# KiCad board FPGA_Board_BA.kicad_pcb (continued)
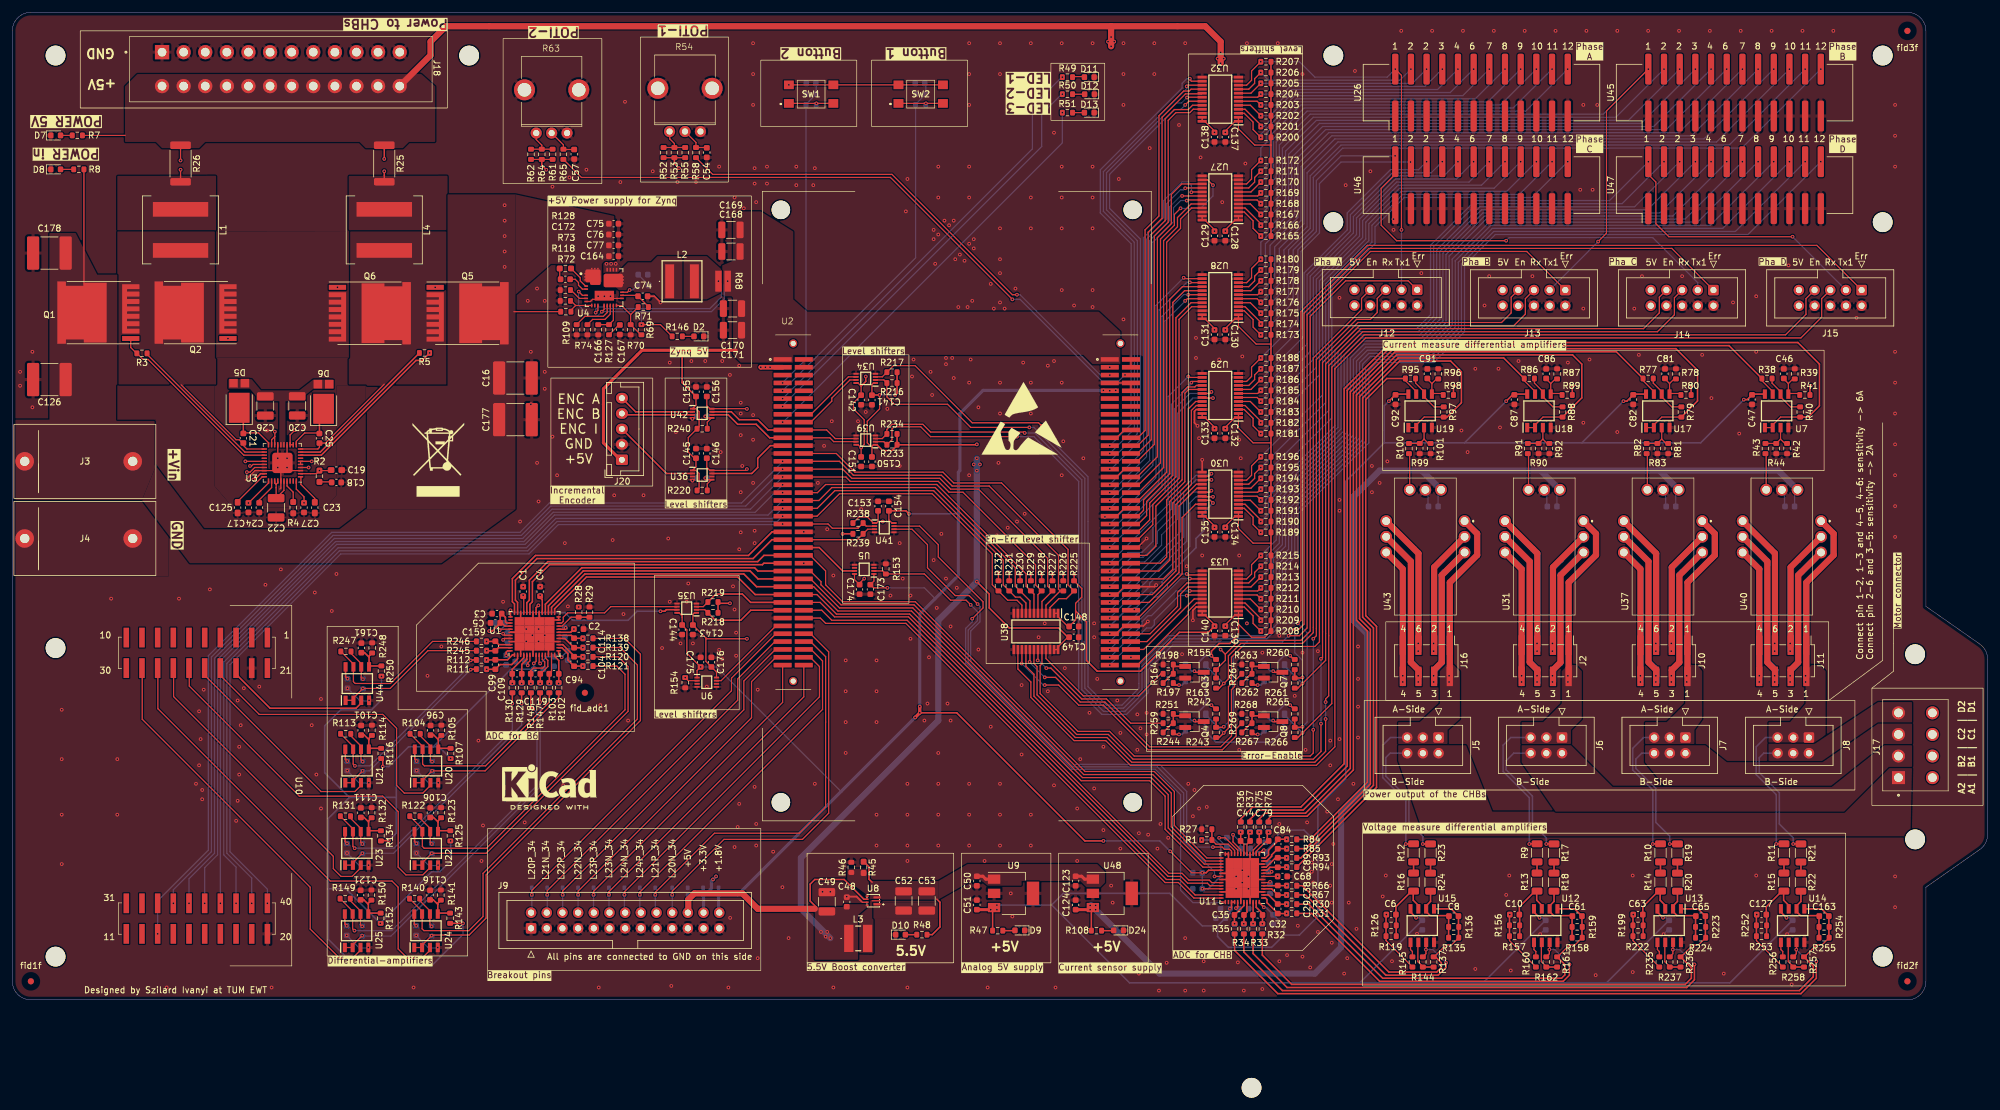
[diagram p0: board, top side]
## Routing (per net, layer and track width the routed paths; a pad name or vN(x,y) marks a point on that pad's centre or on a via; arc(x,y) is an arc through that point) (continued)
/CHB Communication/Level_Shifter_8bit_6/A8: length 122.6
  Top w0.2: U33.10 199.95,68.2 200.75,69 200.75,70.5 v1(202.25,72)
  Bottom w0.2: v1(202.25,72) 204.75,74.5 204.75,80.5 216.25,92 216.25,104.25 218.75,106.75 228.5,106.75 231.75,110 231.75,121 238.25,127.5 266.89,127.5 v1(275.19,135.8)
/CHB Communication/Level_shifter_Rx_En/B2: length 137.1
  Top w0.2: J12.5 221.11,113.65 221.11,111.36 220,110.25 217.75,110.25 211.25,103.75 211.25,59 v1(210.75,58.5) ; U38.20 166.8,54.45 166.5,54.15 166.5,49.62 172.62,43.5 177.75,43.5 181.75,39.5 210.25,39.5 210.75,40 v1(210.75,43.75)
  Bottom w0.2: v1(210.75,58.5) v1(210.75,43.75)
/CHB Communication/Level_shifter_Rx_En/B4: length 162.1
  Top w0.2: J13.5 245.11,113.61 245.11,111.11 243.25,109.25 218.25,109.25 212.25,103.25 212.25,55.5 v1(212,55.25) ; U38.18 165.5,54.5 166,54 166,49.41 172.41,43 177.54,43 181.54,39 210.75,39 212,40.25 v1(212,44.75)
  Bottom w0.2: v1(212,55.25) v1(212,44.75)
/CHB Communication/Level_shifter_Rx_En/B6: length 187.1
  Top w0.2: v1(212.75,45.5) 212.75,40.25 211,38.5 181.34,38.5 177.34,42.5 172.21,42.5 165.5,49.21 165.5,52.75 164.2,54.05 U38.16 ; v1(212.75,48.25) 212.75,48.75 213.25,49.25 213.25,102.75 218.75,108.25 266.5,108.25 269.25,111 269.25,113.75 J14.5
  Bottom w0.2: v1(212.75,48.25) v1(212.75,45.5)
/CHB Communication/Level_shifter_Rx_En/B8: length 212.2
  Top w0.2: J15.5 293.11,113.61 293.11,110.61 289.75,107.25 219.25,107.25 214.25,102.25 214.25,41 211.25,38 181.13,38 177.13,42 172,42 165,49 165,51.5 162.9,53.6 U38.14
/CHB Communication/Ph_A_Tx1: length 71.5
  Top w0.2: v1(190.75,149.25) 190.75,149.1 191,148.85 U32.14
  Bottom w0.2: v1(177.79,89.8) 177.8,89.8 181.25,93.25 181.25,122.5 176.25,127.5 176.25,134.5 189.5,147.75 189.5,148.5 190.25,149.25 v1(190.75,149.25)
/CHB Communication/Ph_A_Tx1_5V: length 65.6
  Top w0.2: v1(224.03,150.8) 225.04,149.79 v1(225.04,124.75) ; U32.10 199.95,148.2 200.75,149 200.75,150.5 v1(202.25,152)
  Bottom w0.2: v1(224.03,150.8) 222.73,149.5 211,149.5 208.5,152 v1(202.25,152) ; J12.3 v1(225.04,124.75)
/CHB Communication/Ph_A_Tx2: length 71.4
  Top w0.2: U32.15 190.45,148.2 v1(190.25,148)
  Bottom w0.2: v1(177.79,88.53) 181.75,92.49 181.75,122.75 176.75,127.75 176.75,134.18 190.25,147.68 v1(190.25,148)
/CHB Communication/Ph_A_Tx3: length 63.5
  Top w0.2: U32.16 190.95,147.55 190.65,147.25 189.75,147.25 185.75,143.25 185.75,127 183.5,124.75 183.5,92.25 182.31,91.07 U2.b22
/CHB Communication/Ph_A_Tx4: length 64
  Top w0.2: U2.b24 182.3,89.8 184,91.5 184,124.37 186.25,126.62 186.25,143 190.05,146.8 192.65,146.8 U32.17
/CHB Communication/Ph_A_Tx5: length 71.2
  Top w0.2: v1(190.3,146.2) 190.35,146.25 U32.18
  Bottom w0.2: v1(177.79,87.25) 182.25,91.72 182.25,123 177.25,128 177.25,134 188.57,145.32 189.43,145.32 v1(190.3,146.2)
/CHB Communication/Ph_A_Tx6: length 71.9
  Top w0.2: U32.19 190.6,145.6 v1(190,145)
  Bottom w0.2: v1(190,145) 189.25,144.25 188.25,144.25 177.75,133.75 177.75,128.25 182.75,123.25 182.75,90.75 177.99,85.99 v1(177.79,85.99)
/CHB Communication/Ph_A_Tx7: length 64
  Top w0.2: U2.b26 182.27,88.53 184.5,90.75 184.5,124 186.75,126.25 186.75,142.75 188.25,144.25 190.5,144.25 191.2,144.95 U32.20
/CHB Communication/Ph_A_Tx8: length 64.6
  Top w0.2: U2.b28 182.25,87.25 185,90 185,123.75 187.25,126 187.25,142.5 188.5,143.75 190.75,143.75 191.3,144.3 U32.21
/CHB Communication/Ph_A_Tx9: length 58.8
  Top w0.2: v1(189.25,128.25) 188.25,127.25 188.25,125.5 186,123.25 186,87 182.44,83.44 U2.b34 ; v1(194.5,132) 193.65,132.85 U27.14
  Bottom w0.2: v1(194.5,132) 194.5,130.25 192.5,128.25 v1(189.25,128.25)
/CHB Communication/Ph_A_Tx10: length 54.8
  Top w0.2: U2.b32 182.21,84.72 185.5,88 185.5,123.5 187.75,125.75 187.75,130.5 189.45,132.2 U27.15
/CHB Communication/Ph_A_Tx11: length 57.5
  Top w0.2: v1(190,131.5) 190.05,131.55 U27.16
  Bottom w0.2: v1(177.79,82.18) 177.93,82.18 183.75,88 183.75,123.25 187,126.5 187,129 189.25,131.25 189.75,131.25 v1(190,131.5)
/CHB Communication/Ph_A_Tx12: length 58.5
  Top w0.2: v1(191,130.85) 191.05,130.9 U27.17
  Bottom w0.2: v1(191,130.85) 191,132 190.5,132.5 189.5,132.5 186.5,129.5 186.5,126.75 183.25,123.5 183.25,89 177.79,83.53 v1(177.79,83.44)
/CHB Communication/Ph_B_Tx1: length 57.6
  Top w0.2: U27.18 v1(189.5,130.25)
  Bottom w0.2: v1(189.5,130.25) 189.25,130.25 187.5,128.5 187.5,126.25 184.25,123 184.25,87.37 v1(177.79,80.91)
/CHB Communication/Ph_B_Tx1_5V: length 121.9
  Top w0.2: v1(256.89,122.86) 258.25,124.21 258.25,144.02 v1(265.03,150.8) ; v1(202.25,129) 201.65,129.6 U27.6
  Bottom w0.2: v1(265.03,150.8) 257.73,143.5 210.25,143.5 205.25,138.5 205.25,132 v1(202.25,129) ; J13.3 v1(256.89,122.86)
/CHB Communication/Ph_B_Tx2: length 58.2
  Top w0.2: v1(190.25,129.5) 190.35,129.6 U27.19
  Bottom w0.2: v1(177.79,79.64) 184.75,86.6 184.75,122.75 188.12,126.12 188.12,128.38 189.25,129.5 v1(190.25,129.5)
/CHB Communication/Ph_B_Tx3: length 53.3
  Top w0.2: U27.20 190.95,128.95 188.75,126.75 188.75,125.25 186.5,123 186.5,86.25 182.43,82.18 U2.b36
/CHB Communication/Ph_B_Tx4: length 53.9
  Top w0.2: U27.21 191.05,128.3 189.25,126.5 189.25,125 187,122.75 187,85.5 182.41,80.91 U2.b38
/CHB Communication/Ph_B_Tx5: length 47.9
  Top w0.2: v1(189.75,117) 189.9,116.85 U28.14
  Bottom w0.2: v1(177.79,77.09) 185.25,84.56 185.25,112.5 v1(189.75,117)
/CHB Communication/Ph_B_Tx6: length 48.1
  Top w0.2: v1(190.75,116.25) 190.8,116.2 U28.15
  Bottom w0.2: v1(190.75,116.25) 190.25,116.25 185.75,111.75 185.75,83.79 v1(177.79,75.83)
/CHB Communication/Ph_B_Tx7: length 44.5
  Top w0.2: U2.b42 182.31,78.37 183.25,79.31 183.25,81 187.5,85.25 187.5,113.5 189.55,115.55 U28.16
/CHB Communication/Ph_B_Tx8: length 44.9
  Top w0.2: U28.17 189.9,114.9 188,113 188,85 183.75,80.75 183.75,78.47 182.38,77.09 U2.b44
/CHB Communication/Ph_B_Tx9: length 47.7
  Top w0.2: U28.18 v1(190.5,114.25)
  Bottom w0.2: v1(190.5,114.25) 189.75,114.25 186.25,110.75 186.25,83.02 v1(177.79,74.56)
/CHB Communication/Ph_B_Tx10: length 47.9
  Top w0.2: U28.19 190.35,113.6 v1(190,113.25)
  Bottom w0.2: v1(190,113.25) 186.75,110 186.75,82.25 v1(177.79,73.28)
/CHB Communication/Ph_B_Tx11: length 43.6
  Top w0.2: U2.b46 182.31,75.83 184.25,77.77 184.25,80.5 188.5,84.75 188.5,110.5 190.95,112.95 U28.20
/CHB Communication/Ph_B_Tx12: length 44.2
  Top w0.2: U2.b48 182.31,74.56 184.75,77 184.75,80.25 189,84.5 189,110.25 191.05,112.3 U28.21
/CHB Communication/Ph_C_Tx1: length 37.8
  Top w0.2: U29.14 190.65,100.85 v1(190.5,101)
  Bottom w0.2: v1(177.79,70.75) 177.79,70.78 187.25,80.25 187.25,97.75 v1(190.5,101)
/CHB Communication/Ph_C_Tx1_5V: length 121
  Top w0.2: v1(242,123) 224.25,123 221.75,125.5 221.75,131.5 224,133.75 224,135.77 U46.2 ; U29.10 199.95,100.2 200.75,101 200.75,102.5 v1(202.25,104)
  Bottom w0.2: v1(242,123) 242.5,123.5 265.74,123.5 273.04,116.2 J14.3 ; v1(224,136.75) 215.25,136.75 211.25,132.75 211.25,124.5 208.25,121.5 208.25,110 v1(202.25,104)
/CHB Communication/Ph_C_Tx2: length 39.1
  Top w0.2: U29.15 191.2,100.2 v1(191,100)
  Bottom w0.2: v1(191,100) 190.75,99.75 190.75,99.5 187.75,96.5 187.75,79.5 184.75,76.5 184.75,74.25 183,72.5 180.75,72.5 177.79,69.53 v1(177.79,69.47)
/CHB Communication/Ph_C_Tx3: length 35
  Top w0.2: 181.21,72.02 183.76,72.02 185.25,73.5 185.25,80 189.5,84.25 189.5,98.42 190.38,99.3 191.56,99.3 191.81,99.55 U29.16
/CHB Communication/Ph_C_Tx4: length 37
  Top w0.2: U29.17 190.55,98.9 189.95,98.3 189.95,83.95 187,81 187,71.75 186,70.75 U2.b54
/CHB Communication/Ph_C_Tx5: length 41.7
  Top w0.2: U29.18 194,98.25 v1(194.25,98.5)
  Bottom w0.2: v1(177.79,68.21) 181.29,71.71 183.21,71.71 185.5,74 185.5,75.92 188.25,78.67 188.25,95.75 190.75,98.25 194,98.25 v1(194.25,98.5)
/CHB Communication/Ph_C_Tx6: length 42.2
  Top w0.2: U29.19 192.85,97.5 v1(194.5,97.5)
  Bottom w0.2: v1(194.5,97.5) 191.25,97.5 188.75,95 188.75,77.9 186.18,75.33 186.18,73.68 183.45,70.95 181.8,70.95 v1(177.79,66.94)
/CHB Communication/Ph_C_Tx7: length 35.5
  Top w0.2: U29.20 191.7,96.95 190.5,95.75 190.5,83.75 187.5,80.75 187.5,71.25 185.73,69.47 U2.b56
/CHB Communication/Ph_C_Tx8: length 36.5
  Top w0.2: U2.b58 186.45,68.21 188,69.75 188,80.5 191.01,83.51 191.01,95.49 191.81,96.3 U29.21
/CHB Communication/Ph_C_Tx9: length 30.7
  Top w0.2: U30.14 193.85,84.85 v1(194.25,85.25)
  Bottom w0.2: v1(194.25,85.25) 194,85 191.75,85 189.25,82.5 189.25,75.86 v1(177.79,64.4)
/CHB Communication/Ph_C_Tx10: length 31
  Top w0.2: U30.15 192.8,84.25 v1(194.25,84.25)
  Bottom w0.2: v1(194.25,84.25) 191.75,84.25 189.75,82.25 189.75,75 177.88,63.12 v1(177.79,63.12)
/CHB Communication/Ph_C_Tx11: length 25.2
  Top w0.2: U2.b62 184.67,65.66 188.5,69.5 188.5,80.25 191.8,83.55 U30.16
/CHB Communication/Ph_C_Tx12: length 25.5
  Top w0.2: U30.17 191.9,82.9 189,80 189,69.25 184.14,64.4 U2.b64
/CHB Communication/Ph_D_Tx1: length 30.7
  Top w0.2: v1(194.25,82.5) 194,82.25 U30.18
  Bottom w0.2: v1(194.25,82.5) 194,82.25 191.25,82.25 190.25,81.25 190.25,74.32 v1(177.79,61.86)
/CHB Communication/Ph_D_Tx1_5V: length 148.9
  Top w0.2: v1(288.39,123.65) 268.35,123.65 266.25,125.75 266.25,132.5 265.03,133.72 v1(265.03,135.8) ; U30.6 201.65,81.6 v1(202.25,81)
  Bottom w0.2: J15.3 v1(288.39,123.65) ; v1(265.03,135.8) 258.73,129.5 237,129.5 229.75,122.25 229.75,111 227.5,108.75 217.75,108.75 214.25,105.25 214.25,93 v1(202.25,81)
/CHB Communication/Ph_D_Tx2: length 31.6
  Top w0.2: U30.19 192.85,81.5 v1(194.5,81.5)
  Bottom w0.2: v1(177.79,60.59) 177.83,60.59 184.25,67 184.25,67.5 185,68.25 185.5,68.25 190.75,73.5 190.75,80.5 191.75,81.5 v1(194.5,81.5)
/CHB Communication/Ph_D_Tx3: length 24.8
  Top w0.2: U30.20 194.05,80.95 v1(194.5,80.5)
  Bottom w0.25: v1(194.5,80.5) 193,79 193,76 191.75,74.75 191.75,73.25 186.25,67.75 186.25,67.25 185,66 184.5,66 v1(181.75,63.25)
/CHB Communication/Ph_D_Tx4: length 24.5
  Top w0.2: U30.21 191.68,80.3 189.5,78.12 189.5,69 182.36,61.86 181.21,61.86
/CHB Communication/Ph_D_Tx5: length 19.9
  Top w0.2: U33.14 190.4,68.85 v1(190.25,69)
  Bottom w0.2: v1(190.25,69) 188.74,69 187.12,67.38 187.12,66.87 185.5,65.25 184.99,65.25 v1(177.79,58.05)
/CHB Communication/Ph_D_Tx6: length 19.7
  Top w0.2: v1(190.75,68.25) 190.8,68.2 U33.15
  Bottom w0.2: v1(190.75,68.25) 189.26,68.25 v1(177.79,56.78)
/CHB Communication/Ph_D_Tx7: length 16.3
  Top w0.2: U2.b72 184.31,59.31 188.75,63.75 188.75,66 190.3,67.55 U33.16
/CHB Communication/Ph_D_Tx8: length 16.5
  Top w0.2: U2.b74 183.8,58.05 189.25,63.5 189.25,65.75 190.4,66.9 U33.17
/CHB Communication/Ph_D_Tx9: length 19.7
  Top w0.2: U33.18 v1(190.75,66.25)
  Bottom w0.2: v1(190.75,66.25) 188.53,66.25 184.53,62.25 184,62.25 183,61.25 183,60.75 182.5,60.25 182.5,60.22 v1(177.79,55.5)
/CHB Communication/Ph_D_Tx10: length 20.1
  Top w0.2: U33.19 190.35,65.6 v1(190.25,65.5)
  Bottom w0.2: v1(190.25,65.5) 189,65.5 185,61.5 185,60.75 184.5,60.25 183.75,60.25 177.79,54.28 v1(177.79,54.24)
/CHB Communication/Ph_D_Tx11: length 14.9
  Top w0.2: U33.20 191.45,64.95 183.27,56.78 U2.b76
/CHB Communication/Ph_D_Tx12: length 16
  Top w0.2: U33.21 191.81,64.3 190.5,62.99 190.5,62.5 182.24,54.24 181.21,54.24
/CHB Communication/Rx_Ph1: length 58
  Top w0.2: U2.a28 134,87.25 136.25,85 150.5,85 152.25,83.25 158.25,83.25 169.47,72.03 169.47,66.53 169.75,66.25 167.45,63.95 U38.4
/CHB Communication/Rx_Ph2: length 52
  Top w0.2: U2.a32 135.04,84.72 135.75,84 150,84 151.75,82.25 154,82.25 165.78,70.47 165.78,67.22 R228.2 166.15,65.65 U38.6
/CHB Communication/Rx_Ph3: length 48.9
  Top w0.2: U2.a38 130.66,80.91 132.75,83 149.5,83 162.47,70.03 162.47,67.03 R230.2 164.85,64.65 U38.8
/CHB Communication/Rx_Ph4: length 48.6
  Top w0.2: U2.a42 130.37,78.37 134,82 149,82 158.75,72.25 158.75,67.25 R232.2 161.25,64.75 162.75,64.75 163.55,63.95 U38.10
/CHB to 3Ph/Ph_A2_out: length 21.5
  Top w0.25: v1(228.5,25.25) 228.51,25.26 R23.1
  Bottom w0.25: v1(228.5,25.25) 228.5,26.5 226.25,28.75 226.25,32.5 222.5,36.25 222.5,39.25 223.21,39.96 225.96,39.96
/CHB to 3Ph/Ph_B2_out: length 21.9
  Top w0.25: R17.1 248.51,25.26 v1(248.5,25.25)
  Bottom w0.25: 245.96,39.96 243.21,39.96 242,38.75 242,37.25 246.25,33 246.25,28.5 248.5,26.25 v1(248.5,25.25)
/CHB to 3Ph/Ph_C2_out: length 20.6
  Top w0.25: R19.1 268.51,25.26 v1(268.5,25.25)
  Bottom w0.25: v1(268.5,25.25) 268.5,26.5 266.25,28.75 266.25,34.25 263,37.5 263,39 263.96,39.96 265.96,39.96
/CHB to 3Ph/Ph_D2_out: length 20.8
  Top w0.25: R21.1 288.51,25.26 v1(288.5,25.25)
  Bottom w0.25: 285.96,39.96 283.71,39.96 283,39.25 283,36.82 286.25,33.57 286.25,28.5 288.5,26.25 v1(288.5,25.25)
/Current measure/Tamura_1/pin1: length 137.6
  Top w0.25: R12.1 225.78,25.28 v1(225.75,25.25)
  Top w1: U43.1 237.31,75.52 237.31,72.06 232.87,67.62 J16.1 J16.2
  In1.Cu w1: U43.1 237.27,75.56 237.27,72.02 232.87,67.62 232.87,51.41
  In2.Cu w1: 232.87,51.41 232.87,67.62 237.27,72.02 237.27,75.56 237.02,75.81 237.02,75.81 U43.1
  Bottom w0.25: v1(225.75,25.25) 225.75,32.25 222,36 222,41.25 223.25,42.5 225.96,42.5
  Bottom w1: U43.1 237.27,75.56 237.27,72.02 232.87,67.62 232.87,51.41
  vias: v1(232.75,52.5) v1(232.75,51.5)
/Current measure/Tamura_1/pin2: length 81.8
  Top w1: J16.3 230.33,70.1 U43.2
  In1.Cu w1: 230.32,56.36 230.32,56.51 230.37,56.56 230.37,68.31 230.27,68.41 230.27,70.04 U43.2
  In2.Cu w1: 230.32,56.36 230.32,69.41 230.37,69.46 230.37,70.14 U43.2
  Bottom w1: U43.2 231.62,71.39 231.62,71.31 230.32,70.01 230.32,56.36
  vias: v1(230.25,57.75) v1(230.25,56.5)
/Current measure/Tamura_1/pin3: length 91.6
  Top w1: U43.3 231.56,68.79 231.56,54.68 230.33,53.45 J16.4
  In1.Cu w1: U43.3 231.78,69.01 231.72,69.01 231.57,68.86 231.57,54.86 230.37,53.66 230.37,51.41
  In2.Cu w1: U43.3 231.52,68.75 231.52,54.91 231.57,54.86 231.57,54.61 230.37,53.41 230.37,51.37
  Bottom w1: 230.37,51.41 230.37,53.41 231.52,54.56 231.52,68.81 232.02,69.31 232.08,69.31 U43.3
  vias: v1(230.25,52.5) v1(230.25,51.5)
/Current measure/Tamura_1/pin4: length 88.1
  Top w1: U43.4 225.25,69.8 J16.7 J16.8
  In1.Cu w1: 225.27,51.31 225.27,69.81 224.22,70.86 224.19,70.86 U43.4
  In2.Cu w1: 225.27,51.31 225.27,69.81 224.52,70.56 224.49,70.56 U43.4
  Bottom w1: U43.4 222.59,72.49 225.27,69.81 225.27,51.31
  vias: v1(225.25,52.5) v1(225.25,51.5)
/Current measure/Tamura_1/pin5: length 102.7
  Top w1: U43.5 226.56,71.03 226.56,54.68 227.81,53.43 227.81,52.43 J16.6
  In1.Cu w1: U43.5 226.52,71.07 226.52,54.76 227.87,53.41 227.87,51.41
  In2.Cu w1: U43.5 224.52,73.07 224.52,73.06 226.57,71.01 226.57,54.71 227.07,54.21 ; 226.77,54.56 227.87,53.46 227.87,51.41
  Bottom w1: 227.87,51.41 227.87,53.46 226.57,54.76 226.57,71.02 U43.5
  vias: v1(227.75,52.5) v1(227.75,51.5)
/Current measure/Tamura_1/pin6: length 91.8
  Top w1: U43.6 227.79,72.34 J16.5
  In1.Cu w1: 227.82,56.56 227.82,72.26 227.27,72.81 227.27,72.86 U43.6
  In2.Cu w1: 227.82,56.56 227.82,72.31 226.42,73.71 226.42,73.71 U43.6
  Bottom w1: U43.6 227.07,73.06 227.07,73.06 227.82,72.31 227.82,56.56
  vias: v1(227.75,57.75) v1(227.75,56.5)
/Current measure/Tamura_2/pin1: length 138.3
  Top w0.25: R9.1 245.78,25.28 v1(245.75,25.25)
  Top w1: J2.2 J2.1 252.12,67.62 256.56,72.06 256.56,75.52 U31.1
  In1.Cu w1: U31.1 256.52,75.56 256.52,72.02 252.12,67.62 252.12,51.41
  In2.Cu w1: U31.1 256.27,75.81 256.27,75.81 256.52,75.56 256.52,72.02 252.12,67.62 252.12,51.41
  Bottom w0.25: 245.96,42.5 242.75,42.5 241.5,41.25 241.5,37 245.75,32.75 v1(245.75,25.25)
  Bottom w1: 252.12,51.41 252.12,67.62 256.52,72.02 256.52,75.56 U31.1
  vias: v1(252,52.5) v1(252,51.5)
/Current measure/Tamura_2/pin2: length 81.8
  Top w1: U31.2 249.58,70.1 J2.3
  In1.Cu w1: U31.2 249.52,70.04 249.52,68.41 249.62,68.31 249.62,56.56 249.57,56.51 249.57,56.36
  In2.Cu w1: 249.57,56.36 249.57,69.41 249.62,69.46 249.62,70.14 U31.2
  Bottom w1: U31.2 250.87,71.39 250.87,71.31 249.57,70.01 249.57,56.36
  vias: v1(249.5,57.75) v1(249.5,56.5)
/Current measure/Tamura_2/pin3: length 91.6
  Top w1: U31.3 250.81,68.79 250.81,54.68 249.58,53.45 J2.4
  In1.Cu w1: 249.62,51.41 249.62,53.66 250.82,54.86 250.82,68.86 250.97,69.01 251.03,69.01 U31.3
  In2.Cu w1: U31.3 250.77,68.75 250.77,54.91 250.82,54.86 250.82,54.61 249.62,53.41 249.62,51.37
  Bottom w1: 249.62,51.41 249.62,53.41 250.77,54.56 250.77,68.81 251.27,69.31 251.33,69.31 U31.3
  vias: v1(249.5,52.5) v1(249.5,51.5)
/Current measure/Tamura_2/pin4: length 88.1
  Top w1: U31.4 244.5,69.8 J2.7 J2.8
  In1.Cu w1: U31.4 243.44,70.86 243.47,70.86 244.52,69.81 244.52,51.31
  In2.Cu w1: 244.52,51.31 244.52,69.81 243.77,70.56 243.74,70.56 U31.4
  Bottom w1: 244.52,51.31 244.52,69.81 241.84,72.49 U31.4
  vias: v1(244.5,52.5) v1(244.5,51.5)
/Current measure/Tamura_2/pin5: length 102.7
  Top w1: U31.5 245.81,71.03 245.81,54.68 247.06,53.43 247.06,52.43 J2.6
  In1.Cu w1: U31.5 245.77,71.07 245.77,54.76 247.12,53.41 247.12,51.41
  In2.Cu w1: U31.5 243.77,73.07 243.77,73.06 245.82,71.01 245.82,54.71 246.32,54.21 ; 247.12,51.41 247.12,53.46 246.02,54.56
  Bottom w1: 247.12,51.41 247.12,53.46 245.82,54.76 245.82,71.02 U31.5
  vias: v1(247,52.5) v1(247,51.5)
/Current measure/Tamura_2/pin6: length 91.8
  Top w1: J2.5 247.04,72.34 U31.6
  In1.Cu w1: 247.07,56.56 247.07,72.26 246.52,72.81 246.52,72.86 U31.6
  In2.Cu w1: U31.6 245.67,73.71 245.67,73.71 247.07,72.31 247.07,56.56
  Bottom w1: 247.07,56.56 247.07,72.31 246.32,73.06 246.32,73.06 U31.6
  vias: v1(247,57.75) v1(247,56.5)
/Current measure/Tamura_3/pin1: length 136.6
  Top w0.25: R10.1 265.78,25.28 v1(265.75,25.25)
  Top w1: J10.2 J10.1 271.37,67.62 275.81,72.06 275.81,75.52 U37.1
  In1.Cu w1: 271.37,51.41 271.37,67.62 275.77,72.02 275.77,75.56 U37.1
  In2.Cu w1: 271.37,51.41 271.37,67.62 275.77,72.02 275.77,75.56 275.52,75.81 275.52,75.81 U37.1
  Bottom w0.25: v1(265.75,25.25) 265.75,34 262.5,37.25 262.5,40.75 264.25,42.5 265.96,42.5
  Bottom w1: 271.37,51.41 271.37,67.62 275.77,72.02 275.77,75.56 U37.1
  vias: v1(271.25,52.5) v1(271.25,51.5)
/Current measure/Tamura_3/pin2: length 81.8
  Top w1: J10.3 268.83,70.1 U37.2
  In1.Cu w1: U37.2 268.77,70.04 268.77,68.41 268.87,68.31 268.87,56.56 268.82,56.51 268.82,56.36
  In2.Cu w1: 268.82,56.36 268.82,69.41 268.87,69.46 268.87,70.14 U37.2
  Bottom w1: 268.82,56.36 268.82,70.01 270.12,71.31 270.12,71.39 U37.2
  vias: v1(268.75,57.75) v1(268.75,56.5)
/Current measure/Tamura_3/pin3: length 91.6
  Top w1: U37.3 270.06,68.79 270.06,54.68 268.83,53.45 J10.4
  In1.Cu w1: 268.87,51.41 268.87,53.66 270.07,54.86 270.07,68.86 270.22,69.01 270.28,69.01 U37.3
  In2.Cu w1: 268.87,51.37 268.87,53.41 270.07,54.61 270.07,54.86 270.02,54.91 270.02,68.75 U37.3
  Bottom w1: U37.3 270.58,69.31 270.52,69.31 270.02,68.81 270.02,54.56 268.87,53.41 268.87,51.41
  vias: v1(268.75,52.5) v1(268.75,51.5)
/Current measure/Tamura_3/pin4: length 88.1
  Top w1: U37.4 263.75,69.8 J10.7 J10.8
  In1.Cu w1: 263.77,51.31 263.77,69.81 262.72,70.86 262.69,70.86 U37.4
  In2.Cu w1: U37.4 262.99,70.56 263.02,70.56 263.77,69.81 263.77,51.31
  Bottom w1: 263.77,51.31 263.77,69.81 261.09,72.49 U37.4
  vias: v1(263.75,52.5) v1(263.75,51.5)
/Current measure/Tamura_3/pin5: length 102.7
  Top w1: U37.5 265.06,71.03 265.06,54.68 266.31,53.43 266.31,52.43 J10.6
  In1.Cu w1: U37.5 265.02,71.07 265.02,54.76 266.37,53.41 266.37,51.41
  In2.Cu w1: U37.5 263.02,73.07 263.02,73.06 265.07,71.01 265.07,54.71 265.57,54.21 ; 266.37,51.41 266.37,53.46 265.27,54.56
  Bottom w1: 266.37,51.41 266.37,53.46 265.07,54.76 265.07,71.02 U37.5
  vias: v1(266.25,52.5) v1(266.25,51.5)
/Current measure/Tamura_3/pin6: length 91.8
  Top w1: U37.6 266.29,72.34 J10.5
  In1.Cu w1: 266.32,56.56 266.32,72.26 265.77,72.81 265.77,72.86 U37.6
  In2.Cu w1: U37.6 264.92,73.71 264.92,73.71 266.32,72.31 266.32,56.56
  Bottom w1: U37.6 265.57,73.06 265.57,73.06 266.32,72.31 266.32,56.56
  vias: v1(266.25,57.75) v1(266.25,56.5)
/Current measure/Tamura_4/pin1: length 136.7
  Top w0.25: v1(285.75,25.25) 285.78,25.28 R11.1
  Top w1: U40.1 295.06,75.52 295.06,72.06 290.62,67.62 J11.1 J11.2
  In1.Cu w1: U40.1 295.02,75.56 295.02,72.02 290.62,67.62 290.62,51.41
  In2.Cu w1: 290.62,51.41 290.62,67.62 295.02,72.02 295.02,75.56 294.77,75.81 294.77,75.81 U40.1
  Bottom w0.25: 285.96,42.5 284,42.5 282.5,41 282.5,36.5 285.75,33.25 v1(285.75,25.25)
  Bottom w1: 290.62,51.41 290.62,67.62 295.02,72.02 295.02,75.56 U40.1
  vias: v1(290.5,52.5) v1(290.5,51.5)
/Current measure/Tamura_4/pin2: length 81.8
  Top w1: J11.3 288.08,70.1 U40.2
  In1.Cu w1: U40.2 288.02,70.04 288.02,68.41 288.12,68.31 288.12,56.56 288.07,56.51 288.07,56.36
  In2.Cu w1: U40.2 288.12,70.14 288.12,69.46 288.07,69.41 288.07,56.36
  Bottom w1: U40.2 289.37,71.39 289.37,71.31 288.07,70.01 288.07,56.36
  vias: v1(288,57.75) v1(288,56.5)
/Current measure/Tamura_4/pin3: length 91.6
  Top w1: U40.3 289.31,68.79 289.31,54.68 288.08,53.45 J11.4
  In1.Cu w1: U40.3 289.53,69.01 289.47,69.01 289.32,68.86 289.32,54.86 288.12,53.66 288.12,51.41
  In2.Cu w1: U40.3 289.27,68.75 289.27,54.91 289.32,54.86 289.32,54.61 288.12,53.41 288.12,51.37
  Bottom w1: U40.3 289.83,69.31 289.77,69.31 289.27,68.81 289.27,54.56 288.12,53.41 288.12,51.41
  vias: v1(288,52.5) v1(288,51.5)
/Current measure/Tamura_4/pin4: length 88.1
  Top w1: J11.8 J11.7 283,69.8 U40.4
  In1.Cu w1: U40.4 281.94,70.86 281.97,70.86 283.02,69.81 283.02,51.31
  In2.Cu w1: U40.4 282.24,70.56 282.27,70.56 283.02,69.81 283.02,51.31
  Bottom w1: 283.02,51.31 283.02,69.81 280.34,72.49 U40.4
  vias: v1(283,52.5) v1(283,51.5)
/Current measure/Tamura_4/pin5: length 102.7
  Top w1: J11.6 285.56,52.43 285.56,53.43 284.31,54.68 284.31,71.03 U40.5
  In1.Cu w1: 285.62,51.41 285.62,53.41 284.27,54.76 284.27,71.07 U40.5
  In2.Cu w1: 285.62,51.41 285.62,53.46 284.52,54.56 ; 284.82,54.21 284.32,54.71 284.32,71.01 282.27,73.06 282.27,73.07 U40.5
  Bottom w1: U40.5 284.32,71.02 284.32,54.76 285.62,53.46 285.62,51.41
  vias: v1(285.5,52.5) v1(285.5,51.5)
/Current measure/Tamura_4/pin6: length 91.8
  Top w1: J11.5 285.54,72.34 U40.6
  In1.Cu w1: 285.57,56.56 285.57,72.26 285.02,72.81 285.02,72.86 U40.6
  In2.Cu w1: U40.6 284.17,73.71 284.17,73.71 285.57,72.31 285.57,56.56
  Bottom w1: U40.6 284.82,73.06 284.82,73.06 285.57,72.31 285.57,56.56
  vias: v1(285.5,57.75) v1(285.5,56.5)
/Encoder/ENC_A: length 12.7
  Top w0.25: U2.a19 122.42,92.34 120.75,94 117.75,94 116.47,95.28 U42.7
/Encoder/ENC_A_5V: length 12.3
  Top w0.25: J20.5 100.97,95.28 U42.2
/Encoder/ENC_B: length 13
  Top w0.25: U42.6 115.97,94.78 117.5,93.25 120.5,93.25 122.69,91.07 U2.a21
/Encoder/ENC_B_5V: length 11.5
  Top w0.25: J20.4 98.97,94.78 U42.3
/Encoder/ENC_I: length 14.2
  Top w0.25: U36.7 119.78,85.28 120.75,86.25 120.75,87.75 122.8,89.8 U2.a23
/Encoder/ENC_I_5V: length 14.4
  Top w0.25: J20.3 105.97,85.28 U36.2
/FPGA/B6_En: length 154.6
  Bottom w0.2: v1(23.54,10.69) 23.54,16.04 31.75,24.25 31.75,55.76 51.74,75.75 82.25,75.75 87,80.5 118.13,80.5 124.79,87.16 v1(124.79,87.25)
/FPGA/Button1: length 50.8
  Bottom w0.2: C55.1 130.23,148.45 R57.1 128.57,145.1 R56.2 128.57,103.83 124.79,100.04 v1(124.79,99.96)
/FPGA/Button2: length 59.5
  Bottom w0.2: C56.1 147.98,148.34 147.98,146.75 146.32,145.1 R59.2 146.32,120.23 v1(124.79,98.69)
/FPGA/Freepin1: length 65.5
  Top w0.2: U2.a72 129.31,59.31 132.25,56.37 132.25,30.25 128,26 115.28,26 106.91,17.62 v1(106.91,17.02) 106.89,17.03
  Bottom w0.2: v1(106.91,17.02) 106.91,14.14 J9.20
/FPGA/Freepin2: length 65.6
  Top w0.2: v1(104.16,17.02) 104.16,17.41 113.74,27 127.5,27 131.75,31.25 131.75,45 131.75,45.01 131.75,55.6 129.31,58.05 U2.a74
  Bottom w0.2: J9.18 104.16,14.33 v1(104.16,17.02)
/FPGA/Freepin3: length 56.9
  Top w0.2: v1(101.66,17.02) 101.66,17.46 131.25,47.05 131.25,54.9 129.38,56.78 U2.a76
  Bottom w0.2: v1(101.66,17.02) 101.66,14.29 J9.16
/FPGA/Freepin4: length 56.2
  Top w0.2: U2.a78 129.25,55.5 130.75,54 130.75,49.09 106.66,25 106.66,25 99.16,17.5 v1(99.16,17.02)
  Bottom w0.2: v1(99.16,17.02) 99.16,14.25 J9.14
/FPGA/Freepin5: length 53.2
  Top w0.2: v1(96.66,17.02) 96.66,17.53 128.21,49.09 128.21,54.24
  Bottom w0.2: v1(96.66,17.02) 96.66,14.21 J9.12
/FPGA/Freepin6: length 52.8
  Top w0.2: 124.79,54.24 124.79,48.21 94.16,17.58 v1(94.16,17.02)
  Bottom w0.2: v1(94.16,17.02) 94.16,14.17 J9.10
/FPGA/Freepin7: length 55.7
  Top w0.2: v1(91.66,17.02) 91.66,17.62 119.75,45.71 119.75,51.56 123.7,55.5 U2.a77
  Bottom w0.2: v1(91.66,17.02) 91.66,14.13
/FPGA/Freepin8: length 58.1
  Top w0.2: U2.a75 123.62,56.78 118.5,51.65 118.5,47 89.16,17.66 v1(89.16,17.02)
  Bottom w0.2: v1(89.16,17.02) 89.16,14.17 J9.6
/FPGA/Freepin9: length 60.6
  Top w0.2: 86.58,17.1 v1(86.66,17.02) 86.66,17.69 117.5,48.54 117.5,52 123.55,58.05 U2.a73
  Bottom w0.2: J9.4 86.66,14.21 v1(86.66,17.02)
/FPGA/Freepin10: length 62.7
  Top w0.2: U2.a71 123.69,59.31 116.5,52.12 116.5,50.08 84.16,17.74 v1(84.16,17.02)
  Bottom w0.2: v1(84.16,17.02) 84.16,14.25 J9.2
/FPGA/OT: length 147.6
  Bottom w0.2: v1(26.08,15.64) 26.08,17.83 32.25,24 32.25,55.55 51.95,75.25 82.46,75.25 87.21,80 118.8,80 v1(124.79,85.99)
/FPGA/Poti: length 81.6
  Top w0.2: R58.2 113.45,133.75 142.5,133.75 162,114.25 v1(162.75,114.25)
  Bottom w0.2: v1(162.75,114.25) 163.25,114.25 176.27,101.23 v1(177.79,101.23)
